# KiCad board Eclipse60.kicad_pcb (continued)
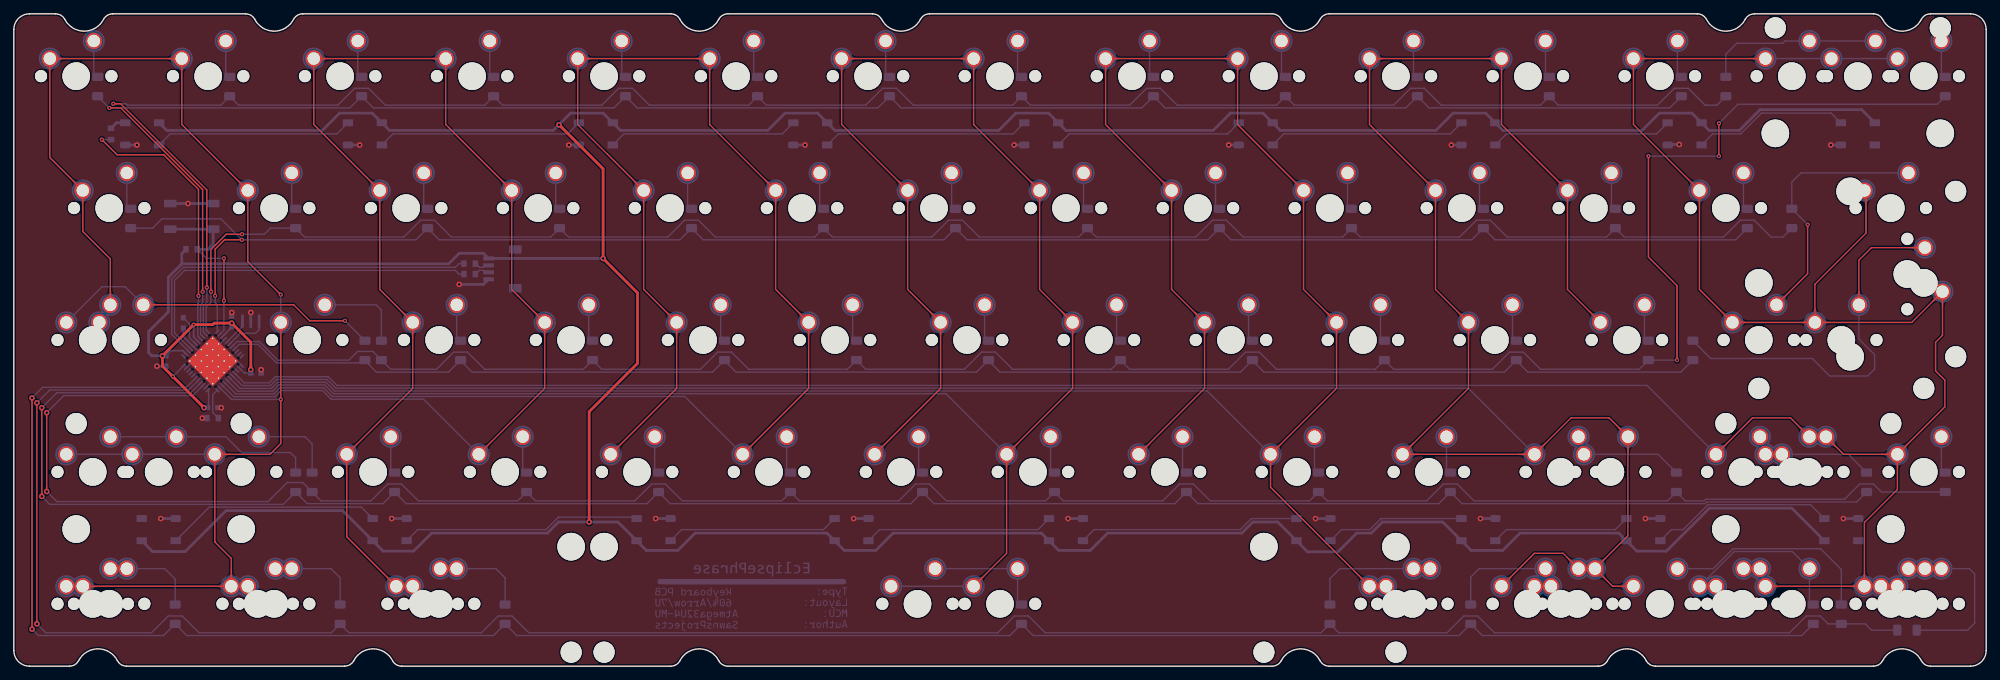
[diagram p0: board, top side]
## Copper pours and planes (outline as drawn; the poured copper is in the pictures) (continued)
C6 on Top: 273.51,32.35 273.44,32.28 273.36,32.22 273.3,32.16 273.23,32.11 273.16,32.07 273.1,32.03 273.04,32 272.97,31.97 272.91,31.94 272.85,31.93 272.79,31.91 272.73,31.9 272.67,31.89 272.62,31.88 272.05,31.84 271.97,31.84 271.9,31.83 271.83,31.81 271.75,31.8 271.67,31.78 271.58,31.75 271.5,31.72 271.47,30.17 273.02,30.2 273.05,30.28 273.08,30.37 273.1,30.45 273.11,30.53 273.13,30.6 273.14,30.67 273.14,30.75 273.18,31.32 273.19,31.37 273.2,31.43 273.21,31.49 273.23,31.55 273.24,31.61 273.27,31.67 273.3,31.74 273.33,31.8 273.37,31.86 273.41,31.93 273.46,32 273.52,32.06 273.58,32.14 273.65,32.21
C6 on Top: 278.5,51.69 278.5,51.8 278.51,51.89 278.52,51.98 278.53,52.06 278.54,52.14 278.56,52.21 278.58,52.28 278.61,52.34 278.63,52.4 278.66,52.46 278.69,52.51 278.73,52.56 278.76,52.61 278.8,52.66 279.18,53.09 279.22,53.14 279.26,53.2 279.31,53.27 279.35,53.33 279.39,53.4 279.44,53.48 279.48,53.56 278.4,54.68 277.32,53.56 277.36,53.48 277.4,53.4 277.45,53.33 277.49,53.27 277.53,53.2 277.58,53.14 277.62,53.09 278,52.66 278.04,52.61 278.07,52.56 278.1,52.51 278.14,52.46 278.16,52.4 278.19,52.34 278.21,52.28 278.24,52.21 278.25,52.14 278.27,52.06 278.28,51.98 278.29,51.89 278.3,51.8 278.3,51.69
C6 on Top: 233.89,85.35 233.89,85.45 233.9,85.55 233.91,85.64 233.92,85.72 233.93,85.8 233.95,85.87 233.97,85.94 234,86 234.02,86.06 234.05,86.11 234.08,86.17 234.12,86.22 234.15,86.27 234.19,86.32 234.57,86.74 234.61,86.8 234.66,86.86 234.7,86.92 234.74,86.99 234.79,87.06 234.83,87.14 234.87,87.22 233.79,88.34 232.71,87.22 232.75,87.14 232.79,87.06 232.84,86.99 232.88,86.92 232.92,86.86 232.97,86.8 233.01,86.74 233.39,86.32 233.43,86.27 233.46,86.22 233.5,86.17 233.53,86.11 233.56,86.06 233.58,86 233.61,85.94 233.63,85.87 233.65,85.8 233.66,85.72 233.67,85.64 233.68,85.55 233.69,85.45 233.69,85.35
C6 on Top: 241.55,70.31 241.63,70.24 241.69,70.16 241.74,70.1 241.79,70.03 241.84,69.96 241.88,69.9 241.91,69.84 241.94,69.77 241.96,69.71 241.98,69.65 242,69.59 242.01,69.53 242.02,69.47 242.03,69.42 242.06,68.85 242.07,68.77 242.08,68.7 242.09,68.63 242.11,68.55 242.13,68.47 242.15,68.38 242.18,68.3 243.74,68.27 243.71,69.82 243.62,69.85 243.54,69.88 243.46,69.9 243.38,69.91 243.3,69.93 243.23,69.94 243.16,69.94 242.59,69.98 242.53,69.99 242.47,70 242.41,70.01 242.35,70.03 242.29,70.04 242.23,70.07 242.17,70.1 242.11,70.13 242.04,70.17 241.98,70.21 241.91,70.26 241.84,70.32 241.77,70.38 241.7,70.45
C6 on Top: 243.42,66.3 243.42,66.4 243.42,66.5 243.43,66.59 243.44,66.67 243.46,66.75 243.48,66.82 243.5,66.89 243.52,66.95 243.55,67.01 243.58,67.06 243.61,67.12 243.64,67.17 243.68,67.22 243.71,67.27 244.09,67.69 244.14,67.75 244.18,67.81 244.22,67.87 244.27,67.94 244.31,68.01 244.35,68.09 244.4,68.17 243.32,69.29 242.24,68.17 242.28,68.09 242.32,68.01 242.36,67.94 242.41,67.87 242.45,67.81 242.49,67.75 242.54,67.69 242.92,67.27 242.95,67.22 242.99,67.17 243.02,67.12 243.05,67.06 243.08,67.01 243.11,66.95 243.13,66.89 243.15,66.82 243.17,66.75 243.19,66.67 243.2,66.59 243.21,66.5 243.21,66.4 243.22,66.3
C6 on Top: 246.32,51.26 246.39,51.19 246.45,51.11 246.51,51.05 246.56,50.98 246.6,50.91 246.64,50.85 246.67,50.79 246.7,50.72 246.72,50.66 246.74,50.6 246.76,50.54 246.77,50.48 246.78,50.42 246.79,50.37 246.82,49.8 246.83,49.72 246.84,49.65 246.86,49.58 246.87,49.5 246.89,49.42 246.92,49.33 246.94,49.25 248.5,49.22 248.47,50.77 248.38,50.8 248.3,50.83 248.22,50.85 248.14,50.86 248.07,50.88 247.99,50.89 247.92,50.89 247.35,50.93 247.29,50.94 247.23,50.95 247.17,50.96 247.11,50.98 247.05,50.99 246.99,51.02 246.93,51.05 246.87,51.08 246.8,51.12 246.74,51.16 246.67,51.21 246.6,51.27 246.53,51.33 246.46,51.4
C6 on Top: 262.37,49.74 262.27,49.74 262.18,49.75 262.09,49.76 262.01,49.77 261.93,49.78 261.86,49.8 261.79,49.82 261.72,49.85 261.67,49.87 261.61,49.9 261.56,49.93 261.5,49.97 261.46,50 261.41,50.04 260.98,50.42 260.92,50.46 260.87,50.51 260.8,50.55 260.74,50.59 260.66,50.64 260.59,50.68 260.51,50.72 259.38,49.64 260.51,48.56 260.59,48.6 260.66,48.64 260.74,48.69 260.8,48.73 260.87,48.77 260.92,48.82 260.98,48.86 261.41,49.24 261.46,49.28 261.5,49.31 261.56,49.35 261.61,49.38 261.67,49.41 261.72,49.43 261.79,49.46 261.86,49.48 261.93,49.5 262.01,49.51 262.09,49.52 262.18,49.53 262.27,49.54 262.37,49.54
C6 on Top: 276.78,52.32 276.85,52.4 276.92,52.46 276.99,52.51 277.06,52.56 277.13,52.61 277.19,52.65 277.25,52.68 277.31,52.71 277.38,52.73 277.44,52.75 277.5,52.77 277.55,52.78 277.61,52.79 277.67,52.8 278.24,52.83 278.31,52.84 278.39,52.85 278.46,52.86 278.54,52.88 278.62,52.9 278.71,52.92 278.79,52.95 278.82,54.51 277.27,54.48 277.24,54.39 277.21,54.31 277.19,54.23 277.18,54.15 277.16,54.07 277.15,54 277.15,53.93 277.11,53.36 277.1,53.3 277.09,53.24 277.08,53.18 277.06,53.12 277.04,53.06 277.02,53 276.99,52.94 276.96,52.88 276.92,52.81 276.88,52.75 276.83,52.68 276.77,52.61 276.71,52.54 276.64,52.47
C6 on Top: 257.59,49.54 257.7,49.54 257.79,49.53 257.88,49.52 257.96,49.51 258.04,49.5 258.11,49.48 258.18,49.46 258.24,49.43 258.3,49.41 258.36,49.38 258.41,49.35 258.46,49.31 258.51,49.28 258.56,49.24 258.99,48.86 259.04,48.82 259.1,48.77 259.16,48.73 259.23,48.69 259.3,48.64 259.38,48.6 259.46,48.56 260.58,49.64 259.46,50.72 259.38,50.68 259.3,50.64 259.23,50.59 259.16,50.55 259.1,50.51 259.04,50.46 258.99,50.42 258.56,50.04 258.51,50 258.46,49.97 258.41,49.93 258.36,49.9 258.3,49.87 258.24,49.85 258.18,49.82 258.11,49.8 258.04,49.78 257.96,49.77 257.88,49.76 257.79,49.75 257.7,49.74 257.59,49.74
C6 on Top: 250.47,49.74 250.37,49.74 250.27,49.75 250.18,49.76 250.1,49.77 250.02,49.78 249.95,49.8 249.88,49.82 249.82,49.85 249.76,49.87 249.7,49.9 249.65,49.93 249.6,49.97 249.55,50 249.5,50.04 249.07,50.42 249.02,50.46 248.96,50.51 248.9,50.55 248.83,50.59 248.76,50.64 248.68,50.68 248.6,50.72 247.48,49.64 248.6,48.56 248.68,48.6 248.76,48.64 248.83,48.69 248.9,48.73 248.96,48.77 249.02,48.82 249.07,48.86 249.5,49.24 249.55,49.28 249.6,49.31 249.65,49.35 249.7,49.38 249.76,49.41 249.82,49.43 249.88,49.46 249.95,49.48 250.02,49.5 250.1,49.51 250.18,49.52 250.27,49.53 250.37,49.54 250.47,49.54
C6 on Top: 267.03,13.93 267.03,13.83 267.02,13.73 267.01,13.64 267,13.56 266.98,13.48 266.96,13.41 266.94,13.34 266.92,13.28 266.89,13.22 266.86,13.17 266.83,13.11 266.8,13.06 266.77,13.01 266.73,12.96 266.35,12.54 266.31,12.48 266.26,12.42 266.22,12.36 266.17,12.29 266.13,12.22 266.09,12.14 266.05,12.06 267.13,10.94 268.21,12.06 268.17,12.14 268.12,12.22 268.08,12.29 268.04,12.36 267.99,12.42 267.95,12.48 267.9,12.54 267.53,12.96 267.49,13.01 267.45,13.06 267.42,13.11 267.39,13.17 267.36,13.22 267.34,13.28 267.31,13.34 267.29,13.41 267.27,13.48 267.26,13.56 267.24,13.64 267.23,13.73 267.23,13.83 267.23,13.93
C6 on Top: 271.99,28.2 271.99,28.3 272,28.4 272.01,28.49 272.02,28.57 272.03,28.65 272.05,28.72 272.07,28.79 272.1,28.85 272.12,28.91 272.15,28.96 272.18,29.02 272.22,29.07 272.25,29.12 272.29,29.17 272.67,29.59 272.71,29.65 272.76,29.71 272.8,29.77 272.84,29.84 272.89,29.91 272.93,29.99 272.97,30.07 271.89,31.19 270.81,30.07 270.85,29.99 270.89,29.91 270.94,29.84 270.98,29.77 271.02,29.71 271.07,29.65 271.11,29.59 271.49,29.17 271.53,29.12 271.56,29.07 271.6,29.02 271.63,28.96 271.66,28.91 271.68,28.85 271.71,28.79 271.73,28.72 271.75,28.65 271.76,28.57 271.77,28.49 271.78,28.4 271.79,28.3 271.79,28.2
C6 on Top: 255.23,11.64 255.13,11.64 255.03,11.65 254.94,11.66 254.86,11.67 254.78,11.68 254.71,11.7 254.64,11.72 254.58,11.75 254.52,11.77 254.47,11.8 254.41,11.83 254.36,11.87 254.31,11.9 254.26,11.94 253.84,12.32 253.78,12.36 253.72,12.41 253.66,12.45 253.59,12.49 253.52,12.54 253.44,12.58 253.36,12.62 252.24,11.54 253.36,10.46 253.44,10.5 253.52,10.54 253.59,10.59 253.66,10.63 253.72,10.67 253.78,10.72 253.84,10.76 254.26,11.14 254.31,11.18 254.36,11.21 254.41,11.25 254.47,11.28 254.52,11.31 254.58,11.33 254.64,11.36 254.71,11.38 254.78,11.4 254.86,11.41 254.94,11.42 255.03,11.43 255.13,11.44 255.23,11.44
C6 on Top: 264.74,11.44 264.84,11.44 264.93,11.43 265.02,11.42 265.11,11.41 265.18,11.4 265.26,11.38 265.32,11.36 265.39,11.33 265.45,11.31 265.5,11.28 265.56,11.25 265.61,11.21 265.66,11.18 265.7,11.14 266.13,10.76 266.19,10.72 266.25,10.67 266.31,10.63 266.38,10.59 266.45,10.54 266.52,10.5 266.6,10.46 267.73,11.54 266.6,12.62 266.52,12.58 266.45,12.54 266.38,12.49 266.31,12.45 266.25,12.41 266.19,12.36 266.13,12.32 265.7,11.94 265.66,11.9 265.61,11.87 265.56,11.83 265.5,11.8 265.45,11.77 265.39,11.75 265.32,11.72 265.26,11.7 265.18,11.68 265.11,11.67 265.02,11.66 264.93,11.65 264.84,11.64 264.74,11.64
C6 on Top: 257.43,34.75 257.5,34.68 257.56,34.6 257.62,34.54 257.67,34.47 257.71,34.4 257.75,34.34 257.78,34.28 257.81,34.21 257.84,34.15 257.85,34.09 257.87,34.03 257.88,33.97 257.89,33.91 257.9,33.86 257.94,33.29 257.94,33.21 257.95,33.14 257.97,33.07 257.98,32.99 258,32.91 258.03,32.82 258.06,32.74 259.61,32.71 259.58,34.26 259.5,34.29 259.41,34.32 259.33,34.34 259.25,34.35 259.18,34.37 259.11,34.38 259.03,34.38 258.46,34.42 258.41,34.43 258.35,34.44 258.29,34.45 258.23,34.47 258.17,34.48 258.11,34.51 258.04,34.54 257.98,34.57 257.92,34.61 257.85,34.65 257.78,34.7 257.72,34.76 257.64,34.82 257.57,34.89
C6 on Top: 247.32,32.35 247.24,32.28 247.17,32.22 247.1,32.16 247.03,32.11 246.97,32.07 246.91,32.03 246.84,32 246.78,31.97 246.72,31.94 246.66,31.93 246.6,31.91 246.54,31.9 246.48,31.89 246.42,31.88 245.85,31.84 245.78,31.84 245.71,31.83 245.63,31.81 245.55,31.8 245.47,31.78 245.39,31.75 245.3,31.72 245.27,30.17 246.83,30.2 246.86,30.28 246.88,30.37 246.9,30.45 246.92,30.53 246.93,30.6 246.94,30.67 246.95,30.75 246.99,31.32 246.99,31.37 247,31.43 247.02,31.49 247.03,31.55 247.05,31.61 247.07,31.67 247.1,31.74 247.14,31.8 247.17,31.86 247.22,31.93 247.27,32 247.32,32.06 247.39,32.14 247.46,32.21
C6 on Top: 236.18,87.84 236.08,87.84 235.98,87.85 235.89,87.86 235.81,87.87 235.73,87.88 235.66,87.9 235.59,87.92 235.53,87.95 235.47,87.97 235.42,88 235.36,88.03 235.31,88.07 235.26,88.1 235.21,88.14 234.79,88.52 234.73,88.56 234.67,88.61 234.61,88.65 234.54,88.69 234.47,88.74 234.39,88.78 234.31,88.82 233.19,87.74 234.31,86.66 234.39,86.7 234.47,86.74 234.54,86.79 234.61,86.83 234.67,86.87 234.73,86.92 234.79,86.96 235.21,87.34 235.26,87.38 235.31,87.41 235.36,87.45 235.42,87.48 235.47,87.51 235.53,87.53 235.59,87.56 235.66,87.58 235.73,87.6 235.81,87.61 235.89,87.62 235.98,87.63 236.08,87.64 236.18,87.64
C6 on Top: 250.45,87.64 250.55,87.64 250.65,87.63 250.74,87.62 250.82,87.61 250.9,87.6 250.97,87.58 251.04,87.56 251.1,87.53 251.16,87.51 251.21,87.48 251.27,87.45 251.32,87.41 251.37,87.38 251.42,87.34 251.84,86.96 251.9,86.92 251.96,86.87 252.02,86.83 252.09,86.79 252.16,86.74 252.24,86.7 252.32,86.66 253.44,87.74 252.32,88.82 252.24,88.78 252.16,88.74 252.09,88.69 252.02,88.65 251.96,88.61 251.9,88.56 251.84,88.52 251.42,88.14 251.37,88.1 251.32,88.07 251.27,88.03 251.21,88 251.16,87.97 251.1,87.95 251.04,87.92 250.97,87.9 250.9,87.88 250.82,87.87 250.74,87.86 250.65,87.85 250.55,87.84 250.45,87.84
C6 on Bottom: 269.5,87.64 269.6,87.64 269.7,87.63 269.79,87.62 269.87,87.61 269.95,87.6 270.02,87.58 270.09,87.56 270.15,87.53 270.21,87.51 270.26,87.48 270.32,87.45 270.37,87.41 270.42,87.38 270.47,87.34 270.89,86.96 270.95,86.92 271.01,86.87 271.07,86.83 271.14,86.79 271.21,86.74 271.29,86.7 271.37,86.66 272.49,87.74 271.37,88.82 271.29,88.78 271.21,88.74 271.14,88.69 271.07,88.65 271.01,88.61 270.95,88.56 270.89,88.52 270.47,88.14 270.42,88.1 270.37,88.07 270.32,88.03 270.26,88 270.21,87.97 270.15,87.95 270.09,87.92 270.02,87.9 269.95,87.88 269.87,87.87 269.79,87.86 269.7,87.85 269.6,87.84 269.5,87.84
C6 on Bottom: 268.7,87.64 268.84,87.64 268.96,87.63 269.08,87.62 269.19,87.6 269.3,87.58 269.39,87.55 269.48,87.52 269.57,87.49 269.65,87.45 269.72,87.42 269.79,87.37 269.86,87.33 269.93,87.28 269.99,87.23 270.05,87.18 270.11,87.12 270.42,86.83 270.49,86.77 270.56,86.71 270.63,86.65 270.71,86.59 270.8,86.53 270.88,86.47 270.98,86.41 271.08,86.36 271.19,86.3 272.69,87.74 271.19,89.18 271.08,89.12 270.98,89.07 270.88,89.01 270.8,88.95 270.71,88.89 270.63,88.83 270.56,88.77 270.49,88.71 270.42,88.65 270.11,88.36 270.05,88.3 269.99,88.25 269.93,88.2 269.86,88.15 269.79,88.11 269.72,88.06 269.65,88.03 269.57,87.99 269.48,87.96 269.39,87.93 269.3,87.9 269.19,87.88 269.08,87.86 268.96,87.85 268.84,87.84 268.7,87.84
C6 on Bottom: 264.76,87.84 264.65,87.84 264.56,87.85 264.47,87.86 264.39,87.87 264.31,87.88 264.24,87.9 264.17,87.92 264.11,87.95 264.05,87.97 263.99,88 263.94,88.03 263.89,88.07 263.84,88.1 263.79,88.14 263.36,88.52 263.31,88.56 263.25,88.61 263.18,88.65 263.12,88.69 263.05,88.74 262.97,88.78 262.89,88.82 261.77,87.74 262.89,86.66 262.97,86.7 263.05,86.74 263.12,86.79 263.18,86.83 263.25,86.87 263.31,86.92 263.36,86.96 263.79,87.34 263.84,87.38 263.89,87.41 263.94,87.45 263.99,87.48 264.05,87.51 264.11,87.53 264.17,87.56 264.24,87.58 264.31,87.6 264.39,87.61 264.47,87.62 264.56,87.63 264.65,87.64 264.76,87.64
C6 on Bottom: 265.56,87.84 265.42,87.84 265.29,87.85 265.17,87.86 265.06,87.88 264.96,87.9 264.86,87.93 264.77,87.96 264.69,87.99 264.61,88.03 264.53,88.06 264.46,88.11 264.39,88.15 264.33,88.2 264.27,88.25 264.2,88.3 264.14,88.36 263.84,88.65 263.77,88.71 263.7,88.77 263.62,88.83 263.54,88.89 263.46,88.95 263.37,89.01 263.27,89.07 263.17,89.12 263.06,89.18 261.57,87.74 263.06,86.3 263.17,86.36 263.27,86.41 263.37,86.47 263.46,86.53 263.54,86.59 263.62,86.65 263.7,86.71 263.77,86.77 263.84,86.83 264.14,87.12 264.2,87.18 264.27,87.23 264.33,87.28 264.39,87.33 264.46,87.37 264.53,87.42 264.61,87.45 264.69,87.49 264.77,87.52 264.86,87.55 264.96,87.58 265.06,87.6 265.17,87.62 265.29,87.63 265.42,87.64 265.56,87.64
C6 on Bottom: 255.23,87.84 255.13,87.84 255.03,87.85 254.94,87.86 254.86,87.87 254.78,87.88 254.71,87.9 254.64,87.92 254.58,87.95 254.52,87.97 254.47,88 254.41,88.03 254.36,88.07 254.31,88.1 254.26,88.14 253.84,88.52 253.78,88.56 253.72,88.61 253.66,88.65 253.59,88.69 253.52,88.74 253.44,88.78 253.36,88.82 252.24,87.74 253.36,86.66 253.44,86.7 253.52,86.74 253.59,86.79 253.66,86.83 253.72,86.87 253.78,86.92 253.84,86.96 254.26,87.34 254.31,87.38 254.36,87.41 254.41,87.45 254.47,87.48 254.52,87.51 254.58,87.53 254.64,87.56 254.71,87.58 254.78,87.6 254.86,87.61 254.94,87.62 255.03,87.63 255.13,87.64 255.23,87.64
C6 on Bottom: 256.03,87.84 255.89,87.84 255.77,87.85 255.65,87.86 255.54,87.88 255.43,87.9 255.34,87.93 255.25,87.96 255.16,87.99 255.08,88.03 255.01,88.06 254.94,88.11 254.87,88.15 254.8,88.2 254.74,88.25 254.68,88.3 254.62,88.36 254.31,88.65 254.24,88.71 254.17,88.77 254.1,88.83 254.02,88.89 253.93,88.95 253.85,89.01 253.75,89.07 253.65,89.12 253.54,89.18 252.04,87.74 253.54,86.3 253.65,86.36 253.75,86.41 253.85,86.47 253.93,86.53 254.02,86.59 254.1,86.65 254.17,86.71 254.24,86.77 254.31,86.83 254.62,87.12 254.68,87.18 254.74,87.23 254.8,87.28 254.87,87.33 254.94,87.37 255.01,87.42 255.08,87.45 255.16,87.49 255.25,87.52 255.34,87.55 255.43,87.58 255.54,87.6 255.65,87.62 255.77,87.63 255.89,87.64 256.03,87.64
C6 on Bottom: 259.98,87.64 260.08,87.64 260.17,87.63 260.26,87.62 260.34,87.61 260.42,87.6 260.49,87.58 260.56,87.56 260.62,87.53 260.68,87.51 260.74,87.48 260.79,87.45 260.84,87.41 260.89,87.38 260.94,87.34 261.37,86.96 261.42,86.92 261.48,86.87 261.55,86.83 261.61,86.79 261.68,86.74 261.76,86.7 261.84,86.66 262.97,87.74 261.84,88.82 261.76,88.78 261.68,88.74 261.61,88.69 261.55,88.65 261.48,88.61 261.42,88.56 261.37,88.52 260.94,88.14 260.89,88.1 260.84,88.07 260.79,88.03 260.74,88 260.68,87.97 260.62,87.95 260.56,87.92 260.49,87.9 260.42,87.88 260.34,87.87 260.26,87.86 260.17,87.85 260.08,87.84 259.98,87.84
C6 on Bottom: 259.18,87.64 259.31,87.64 259.44,87.63 259.56,87.62 259.67,87.6 259.77,87.58 259.87,87.55 259.96,87.52 260.04,87.49 260.12,87.45 260.2,87.42 260.27,87.37 260.34,87.33 260.4,87.28 260.46,87.23 260.53,87.18 260.59,87.12 260.89,86.83 260.96,86.77 261.03,86.71 261.11,86.65 261.19,86.59 261.27,86.53 261.36,86.47 261.46,86.41 261.56,86.36 261.67,86.3 263.17,87.74 261.67,89.18 261.56,89.12 261.46,89.07 261.36,89.01 261.27,88.95 261.19,88.89 261.11,88.83 261.03,88.77 260.96,88.71 260.89,88.65 260.59,88.36 260.53,88.3 260.46,88.25 260.4,88.2 260.34,88.15 260.27,88.11 260.2,88.06 260.12,88.03 260.04,87.99 259.96,87.96 259.87,87.93 259.77,87.9 259.67,87.88 259.56,87.86 259.44,87.85 259.31,87.84 259.18,87.84
C6 on Bottom: 243.94,32.21 244.01,32.14 244.07,32.06 244.13,32 244.18,31.93 244.22,31.86 244.26,31.8 244.29,31.74 244.32,31.67 244.34,31.61 244.36,31.55 244.38,31.49 244.39,31.43 244.4,31.37 244.41,31.32 244.44,30.75 244.45,30.67 244.46,30.6 244.47,30.53 244.49,30.45 244.51,30.37 244.53,30.28 244.56,30.2 246.12,30.17 246.09,31.72 246,31.75 245.92,31.78 245.84,31.8 245.76,31.81 245.68,31.83 245.61,31.84 245.54,31.84 244.97,31.88 244.91,31.89 244.85,31.9 244.79,31.91 244.73,31.93 244.67,31.94 244.61,31.97 244.55,32 244.49,32.03 244.42,32.07 244.36,32.11 244.29,32.16 244.22,32.22 244.15,32.28 244.08,32.35
C6 on Bottom: 243.37,32.77 243.46,32.68 243.55,32.58 243.62,32.49 243.69,32.4 243.75,32.31 243.8,32.22 243.84,32.14 243.88,32.06 243.91,31.97 243.93,31.89 243.95,31.81 243.97,31.73 243.98,31.65 243.99,31.57 244,31.49 244,31.41 244.01,30.99 244.02,30.9 244.03,30.8 244.04,30.71 244.05,30.61 244.07,30.51 244.09,30.4 244.11,30.3 244.15,30.18 244.18,30.06 246.26,30.02 246.22,32.1 246.1,32.14 245.99,32.17 245.88,32.2 245.78,32.22 245.68,32.24 245.58,32.25 245.48,32.26 245.39,32.27 245.3,32.27 244.87,32.28 244.79,32.29 244.71,32.3 244.63,32.3 244.55,32.32 244.47,32.33 244.39,32.35 244.31,32.38 244.23,32.41 244.15,32.44 244.06,32.49 243.98,32.54 243.89,32.6 243.8,32.66 243.71,32.74 243.61,32.82 243.51,32.92
R0 on Bottom: 239.93,81.39 240.9,81.73 240.91,82.51 240.13,82.5 239.79,81.53
R0 on Bottom: 201.83,81.39 202.8,81.73 202.81,82.51 202.03,82.5 201.69,81.53
R0 on Bottom: 163.73,81.39 164.7,81.73 164.71,82.51 163.93,82.5 163.59,81.53
R0 on Bottom: 125.63,81.39 126.6,81.73 126.61,82.51 125.83,82.5 125.49,81.53
R0 on Bottom: 87.53,81.39 88.5,81.73 88.51,82.51 87.73,82.5 87.39,81.53
R0 on Bottom: 203.51,81.53 203.17,82.5 202.39,82.51 202.4,81.73 203.37,81.39
R0 on Bottom: 165.41,81.53 165.07,82.5 164.29,82.51 164.3,81.73 165.27,81.39
R0 on Bottom: 127.31,81.53 126.97,82.5 126.19,82.51 126.2,81.73 127.17,81.39
R0 on Bottom: 89.21,81.53 88.87,82.5 88.09,82.51 88.1,81.73 89.07,81.39
R0 on Bottom: 51.11,81.53 50.77,82.5 49.99,82.51 50,81.73 50.97,81.39
R0 on Bottom: 49.43,81.39 50.4,81.73 50.41,82.51 49.63,82.5 49.29,81.53
R0 on Bottom: 13.01,81.53 12.67,82.5 11.89,82.51 11.9,81.73 12.87,81.39
R1 on Bottom: 30.38,81.39 31.35,81.73 31.36,82.51 30.58,82.5 30.24,81.53
R1 on Bottom: 246.35,81.39 247.32,81.73 247.34,82.51 246.56,82.5 246.21,81.53
R1 on Bottom: 222.56,81.53 222.22,82.5 221.44,82.51 221.45,81.73 222.42,81.39
R1 on Bottom: 184.46,81.53 184.12,82.5 183.34,82.51 183.35,81.73 184.32,81.39
R1 on Bottom: 146.36,81.53 146.02,82.5 145.24,82.51 145.25,81.73 146.22,81.39
R1 on Bottom: 108.26,81.53 107.92,82.5 107.14,82.51 107.15,81.73 108.12,81.39
R1 on Bottom: 220.88,81.39 221.85,81.73 221.86,82.51 221.08,82.5 220.74,81.53
R1 on Bottom: 182.78,81.39 183.75,81.73 183.76,82.51 182.98,82.5 182.64,81.53
R1 on Bottom: 144.68,81.39 145.65,81.73 145.66,82.51 144.88,82.5 144.54,81.53
R1 on Bottom: 106.58,81.39 107.55,81.73 107.56,82.51 106.78,82.5 106.44,81.53
R1 on Bottom: 70.16,81.53 69.82,82.5 69.04,82.51 69.05,81.73 70.02,81.39
R1 on Bottom: 68.48,81.39 69.45,81.73 69.46,82.51 68.68,82.5 68.34,81.53
R1 on Bottom: 32.06,81.53 31.72,82.5 30.94,82.51 30.95,81.73 31.92,81.39
R2 on Bottom: 58.95,62.34 59.92,62.68 59.94,63.46 59.16,63.45 58.81,62.48
R2 on Bottom: 18.05,63.35 17.12,63.79 16.56,63.25 17.12,62.71 18.05,63.15
R2 on Bottom: 213.04,62.48 212.69,63.45 211.91,63.46 211.93,62.68 212.89,62.34
R2 on Bottom: 174.94,62.48 174.59,63.45 173.81,63.46 173.83,62.68 174.79,62.34
R2 on Bottom: 136.84,62.48 136.49,63.45 135.71,63.46 135.73,62.68 136.69,62.34
R2 on Bottom: 98.74,62.48 98.39,63.45 97.61,63.46 97.63,62.68 98.59,62.34
R2 on Bottom: 249.45,62.34 250.42,62.68 250.44,63.46 249.66,63.45 249.31,62.48
R2 on Bottom: 211.35,62.34 212.32,62.68 212.34,63.46 211.56,63.45 211.21,62.48
R2 on Bottom: 173.25,62.34 174.22,62.68 174.24,63.46 173.46,63.45 173.11,62.48
R2 on Bottom: 135.15,62.34 136.12,62.68 136.14,63.46 135.36,63.45 135.01,62.48
R2 on Bottom: 97.05,62.34 98.02,62.68 98.04,63.46 97.26,63.45 96.91,62.48
R2 on Bottom: 60.64,62.48 60.29,63.45 59.51,63.46 59.53,62.68 60.49,62.34
R3 on Bottom: 39.48,63.15 40.41,62.71 40.97,63.25 40.41,63.79 39.48,63.35
R3 on Bottom: 41.59,62.48 41.24,63.45 40.46,63.46 40.48,62.68 41.44,62.34
R3 on Bottom: 78,62.34 78.97,62.68 78.99,63.46 78.21,63.45 77.86,62.48
R3 on Bottom: 255.88,62.34 256.85,62.68 256.86,63.46 256.08,63.45 255.74,62.48
R3 on Bottom: 232.09,62.48 231.74,63.45 230.96,63.46 230.98,62.68 231.94,62.34
R3 on Bottom: 230.4,62.34 231.37,62.68 231.39,63.46 230.61,63.45 230.26,62.48
R3 on Bottom: 192.3,62.34 193.27,62.68 193.29,63.46 192.51,63.45 192.16,62.48
R3 on Bottom: 154.2,62.34 155.17,62.68 155.19,63.46 154.41,63.45 154.06,62.48
R3 on Bottom: 193.99,62.48 193.64,63.45 192.86,63.46 192.88,62.68 193.84,62.34
R3 on Bottom: 155.89,62.48 155.54,63.45 154.76,63.46 154.78,62.68 155.74,62.34
R3 on Bottom: 117.79,62.48 117.44,63.45 116.66,63.46 116.68,62.68 117.64,62.34
R3 on Bottom: 79.69,62.48 79.34,63.45 78.56,63.46 78.58,62.68 79.54,62.34
R3 on Bottom: 116.1,62.34 117.07,62.68 117.09,63.46 116.31,63.45 115.96,62.48
R4 on Bottom: 241.59,43.29 242.56,43.63 242.57,44.41 241.8,44.4 241.45,43.43
R4 on Bottom: 216.12,43.29 217.08,43.63 217.1,44.41 216.32,44.4 215.97,43.43
R4 on Bottom: 178.02,43.29 178.98,43.63 179,44.41 178.22,44.4 177.87,43.43
R4 on Bottom: 139.92,43.29 140.88,43.63 140.9,44.41 140.12,44.4 139.77,43.43
R4 on Bottom: 179.67,43.38 179.37,44.35 178.59,44.43 178.54,43.65 179.53,43.24
R4 on Bottom: 141.57,43.38 141.27,44.35 140.49,44.43 140.44,43.65 141.43,43.24
R4 on Bottom: 103.47,43.38 103.17,44.35 102.39,44.43 102.34,43.65 103.33,43.24
R4 on Bottom: 101.82,43.29 102.78,43.63 102.8,44.41 102.02,44.4 101.67,43.43
R4 on Bottom: 63.72,43.29 64.68,43.63 64.7,44.41 63.92,44.4 63.57,43.43
R4 on Bottom: 49.62,43.69 50.67,43.6 50.89,44.4 50.12,44.43 49.62,43.89
R4 on Bottom: 51.56,43.38 51.25,44.35 50.48,44.43 50.43,43.65 51.42,43.24
R4 on Bottom: 65.37,43.38 65.07,44.35 64.29,44.43 64.24,43.65 65.23,43.24
R4 on Bottom: 217.77,43.38 217.47,44.35 216.69,44.43 216.64,43.65 217.63,43.24
R5 on Bottom: 235.17,43.29 236.13,43.63 236.15,44.41 235.37,44.4 235.02,43.43
R5 on Bottom: 197.07,43.29 198.03,43.63 198.05,44.41 197.27,44.4 196.92,43.43
R5 on Bottom: 158.97,43.29 159.93,43.63 159.95,44.41 159.17,44.4 158.82,43.43
R5 on Bottom: 198.75,43.43 198.4,44.4 197.62,44.41 197.64,43.63 198.61,43.29
R5 on Bottom: 160.65,43.43 160.3,44.4 159.52,44.41 159.54,43.63 160.51,43.29
R5 on Bottom: 122.55,43.43 122.2,44.4 121.42,44.41 121.44,43.63 122.41,43.29
R5 on Bottom: 120.87,43.29 121.83,43.63 121.85,44.41 121.07,44.4 120.72,43.43
R5 on Bottom: 84.45,43.43 84.1,44.4 83.32,44.41 83.34,43.63 84.31,43.29
R5 on Bottom: 82.77,43.29 83.73,43.63 83.75,44.41 82.97,44.4 82.62,43.43
R5 on Bottom: 53.97,43.43 53.62,44.4 52.84,44.41 52.86,43.63 53.82,43.29
R5 on Bottom: 52.14,44.97 52.49,44 53.27,43.99 53.25,44.77 52.28,45.11
R5 on Bottom: 237.13,44.3 236.2,44.74 235.64,44.2 236.2,43.66 237.13,44.1
R5 on Bottom: 278.03,81.39 279,81.73 279.01,82.51 278.23,82.5 277.89,81.53
R6 on Bottom: 39.9,24.24 40.87,24.58 40.89,25.36 40.11,25.35 39.76,24.38
R6 on Bottom: 266.67,24.24 267.64,24.58 267.66,25.36 266.88,25.35 266.53,24.38
R6 on Bottom: 208.27,24.38 207.93,25.35 207.15,25.36 207.16,24.58 208.13,24.24
R6 on Bottom: 206.59,24.24 207.56,24.58 207.57,25.36 206.79,25.35 206.45,24.38
R6 on Bottom: 168.49,24.24 169.46,24.58 169.47,25.36 168.69,25.35 168.35,24.38
R6 on Bottom: 130.39,24.24 131.36,24.58 131.37,25.36 130.59,25.35 130.25,24.38
R6 on Bottom: 170.17,24.38 169.83,25.35 169.05,25.36 169.06,24.58 170.03,24.24
R6 on Bottom: 132.07,24.38 131.73,25.35 130.95,25.36 130.96,24.58 131.93,24.24
R6 on Bottom: 93.97,24.38 93.63,25.35 92.85,25.36 92.86,24.58 93.83,24.24
R6 on Bottom: 92.29,24.24 93.26,24.58 93.27,25.36 92.49,25.35 92.15,24.38
R6 on Bottom: 54.19,24.24 55.16,24.58 55.17,25.36 54.39,25.35 54.05,24.38
R6 on Bottom: 41.59,24.38 41.24,25.35 40.46,25.36 40.48,24.58 41.44,24.24
R6 on Bottom: 55.87,24.38 55.53,25.35 54.75,25.36 54.76,24.58 55.73,24.24
R7 on Bottom: 42.14,25.92 42.49,24.95 43.27,24.94 43.25,25.72 42.28,26.06
R7 on Bottom: 277.61,25.05 278.54,24.61 279.1,25.15 278.54,25.69 277.61,25.25
R7 on Bottom: 240.89,24.38 240.55,25.35 239.77,25.36 239.78,24.58 240.75,24.24
R7 on Bottom: 239.21,24.24 240.18,24.58 240.19,25.36 239.41,25.35 239.07,24.38
R7 on Bottom: 189.22,24.38 188.88,25.35 188.1,25.36 188.11,24.58 189.08,24.24
R7 on Bottom: 151.12,24.38 150.78,25.35 150,25.36 150.01,24.58 150.98,24.24
R7 on Bottom: 113.02,24.38 112.68,25.35 111.9,25.36 111.91,24.58 112.88,24.24
R7 on Bottom: 187.54,24.24 188.51,24.58 188.52,25.36 187.74,25.35 187.4,24.38
R7 on Bottom: 149.44,24.24 150.41,24.58 150.42,25.36 149.64,25.35 149.3,24.38
R7 on Bottom: 111.34,24.24 112.31,24.58 112.32,25.36 111.54,25.35 111.2,24.38
R7 on Bottom: 74.92,24.38 74.58,25.35 73.8,25.36 73.81,24.58 74.78,24.24
R7 on Bottom: 73.24,24.24 74.21,24.58 74.22,25.36 73.44,25.35 73.1,24.38
R7 on Bottom: 43.97,24.38 43.62,25.35 42.84,25.36 42.86,24.58 43.83,24.24
R8 on Bottom: 22.52,5.19 23.48,5.53 23.5,6.31 22.72,6.3 22.38,5.33
R8 on Bottom: 211.21,5.33 210.86,6.3 210.08,6.31 210.1,5.53 211.07,5.19
R8 on Bottom: 258.98,5.19 259.95,5.53 259.96,6.31 259.18,6.3 258.84,5.33
R8 on Bottom: 146.36,5.33 146.02,6.3 145.24,6.31 145.25,5.53 146.22,5.19
R8 on Bottom: 209.52,5.19 210.49,5.53 210.51,6.31 209.73,6.3 209.38,5.33
R8 on Bottom: 71.82,5.33 71.48,6.3 70.7,6.31 70.72,5.53 71.68,5.19
R8 on Bottom: 144.68,5.19 145.65,5.53 145.66,6.31 144.88,6.3 144.54,5.33
R8 on Bottom: 70.14,5.19 71.11,5.53 71.12,6.31 70.35,6.3 70,5.33
R8 on Bottom: 24.2,5.33 23.85,6.3 23.08,6.31 23.09,5.53 24.06,5.19
R9 on Bottom: 46.33,5.19 47.3,5.53 47.31,6.31 46.53,6.3 46.19,5.33
R9 on Bottom: 262.6,6 263.53,5.56 264.09,6.1 263.53,6.64 262.6,6.2
R9 on Bottom: 190.89,5.33 190.54,6.3 189.76,6.31 189.78,5.53 190.75,5.19
R9 on Bottom: 270.69,5.1 271.61,4.66 272.18,5.2 271.61,5.74 270.69,5.3
R9 on Bottom: 264.98,6.2 264.06,6.64 263.49,6.1 264.06,5.56 264.98,6
